# Altium PCB VCB2020_rev1.PcbDoc (part 2 of 2)
Units mil, origin at the board's own origin, x right, y up, seen from the top; angles counter-clockwise.
Board outline 5748.03 x 3779.53 mil, 2 copper layers (Top Layer, Bottom Layer); 155 components, 105 nets, 540 pads, 801 vias.
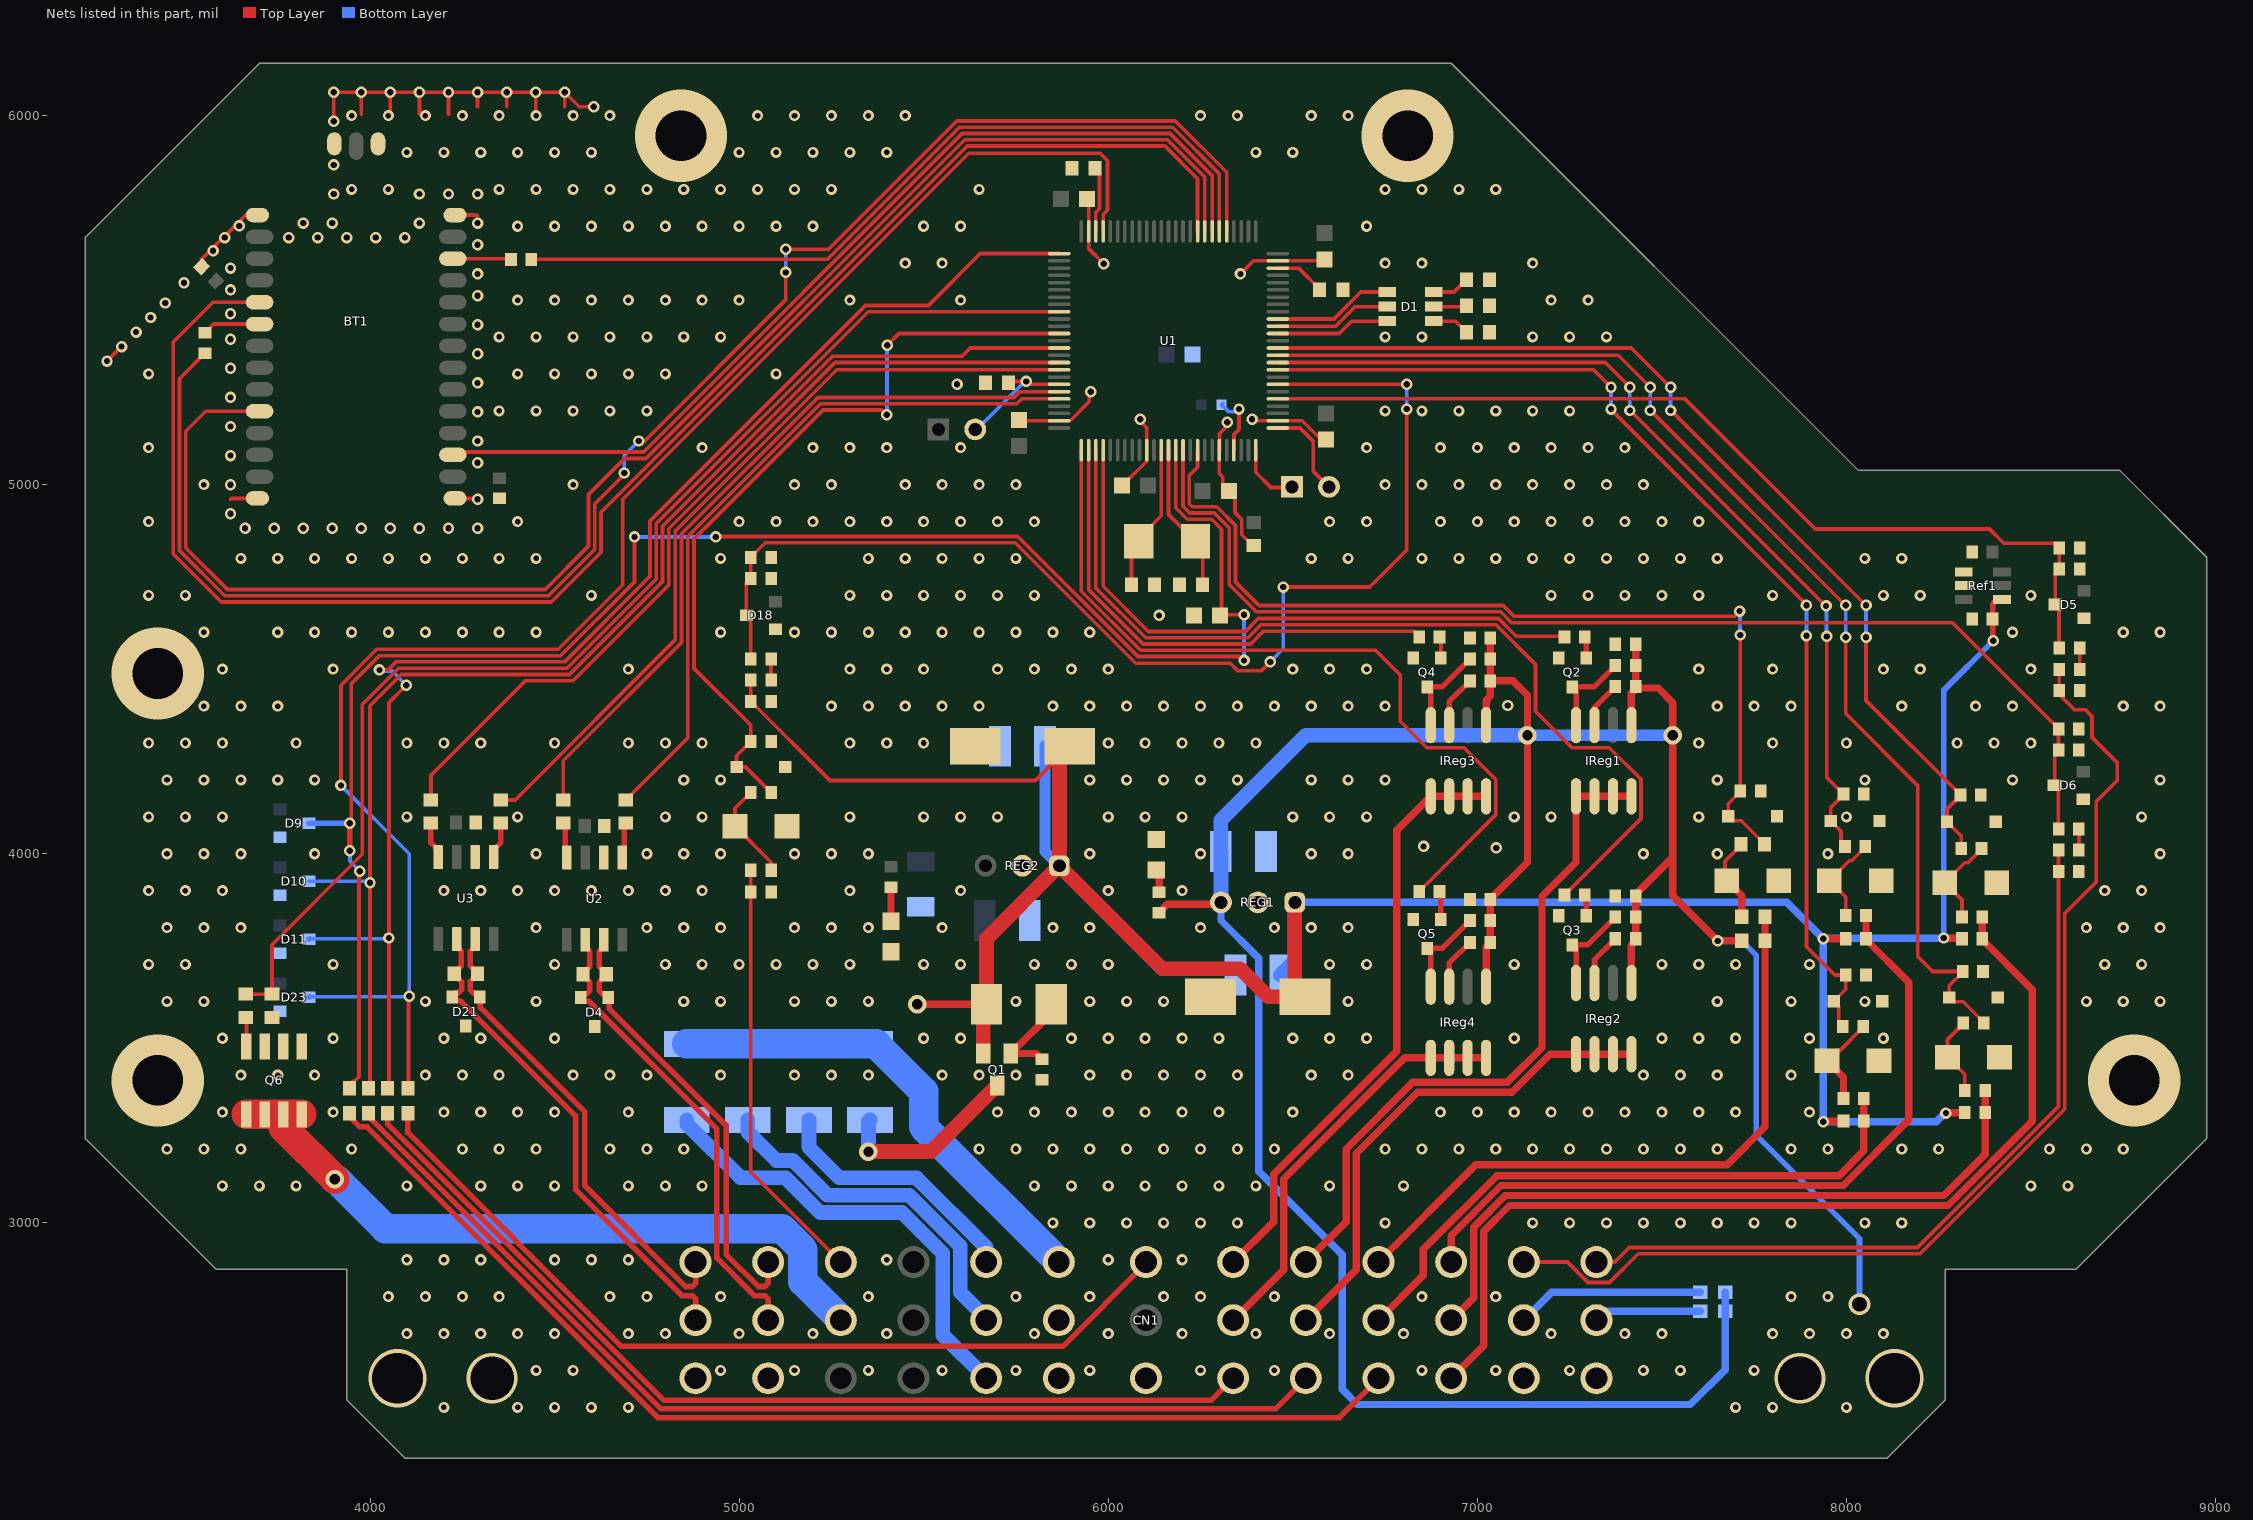
[diagram p2: the nets of this part, all layers, seen from the top]

## Via types
v1: diameter 30, hole 15, Top Layer to Bottom Layer, 653 vias
v2: diameter 31, hole 17, Top Layer to Bottom Layer, 127 vias
v3: diameter 50, hole 28, Top Layer to Bottom Layer, 10 vias
v4: diameter 250, hole 137, Top Layer to Bottom Layer, 5 vias
v5: diameter 59.06, hole 39.37, Top Layer to Bottom Layer, 2 vias
v6: diameter 137.8, hole 118.11, Top Layer to Bottom Layer, 2 vias
v7: diameter 157.48, hole 137.8, Top Layer to Bottom Layer, 2 vias

## Nets (pads, with @x,y where several pads share a name; then routed paths per layer and width w, separated by ;. In a path a pad name is that pad's centre, name@x,y a point inside that pad or via, vN(x,y) a via of type N, cw(c..) or ccw(c..) an arc to the next point about the centre after c; other vN are vias at no path point) (continued)
5v: C14.2 C34.2 C35.2 C36.2 C37.2 F1.1 F2.1 IReg1.1 IReg2.1 IReg3.1 IReg4.1 R6.1 R20.2 R47.1 R48.1 R50.1 R51.1 R53.1 R54.1 R56.1 R57.1 REG1.3 | length 8315.4
  Top Layer w20: R6.1@6137.96,3840.55 6160.33,3862.92 6305.51,3862.92 REG1.3@6305.51,3868.11 ; IReg4.1@7023.82,3639.76 7023.82,3748.23 R56.1@7035.43,3759.84 R57.1@7035.43,3818.9 C37.2@7035.43,3876.15 7135.83,3976.55 v3(7135.83,4320.87) 7135.83,4429.13 7096.46,4468.5 R53.1@7035.43,4468.5 ; IReg3.1@7023.82,4348.43 7023.82,4415.55 7035.43,4427.17 R53.1@7035.43,4468.5 ; C36.2@7035.43,4584.81 R54.1@7035.43,4527.56 R53.1@7035.43,4468.5 ; IReg2.1@7417.52,3659.45 7417.52,3752.33 7429.13,3763.95 7429.13,3821.2 R51.1@7429.13,3828.74 7429.13,3889.76 7529.53,3990.16 ; IReg1.1@7417.52,4348.43 7417.52,4435.24 7431.1,4448.82 7490.16,4448.82 7529.53,4409.45 v3(7529.53,4320.87) 7529.53,3990.16 ; R47.1@7429.13,4468.5 C34.2@7429.13,4567.43 ; R20.2@7716.54,3763.78 v2(7651.57,3763.78) 7529.53,3885.83 7529.53,3990.16
  Bottom Layer w15: v2(7651.57,3763.78) 7716.54,3763.78 7755.91,3724.41 7755.91,3236.52 8035.43,2956.99 v5(8035.43,2779.53)
  Bottom Layer w20: REG1.3@6305.51,3868.11 6305.51,3818.92 6407.48,3716.95 6407.48,3139.76 6633.86,2913.39 6633.86,2549.21 6675.2,2507.87 7576.77,2507.87 7671.26,2602.36 F1.1@7671.26,2760.37 F2.1@7671.26,2811.81
  Bottom Layer w30: v3(7135.83,4320.87) v3(7529.53,4320.87)
  Bottom Layer w40: REG1.3@6305.51,3868.11 6305.51,4005.51 C14.2@6305.12,4005.91 6305.12,4090.55 6535.43,4320.87 v3(7135.83,4320.87)
"\B\r\a\k\e\ \P\r\e\s\s": CN1.10 R20.1 R21.1 | length 1767.8
  Top Layer w20: CN1.10@6732.28,2893.7 6996.06,3157.48 7677.16,3157.48 7779.53,3259.84 R20.1@7779.53,3763.78 R21.1@7779.53,3828.74
"APPS 1 5V": CN1.1 R16.1 R18.2 | length 2120.8
  Top Layer w10: CN1.1@7322.83,2893.7 7372.05,2893.7 7411.42,2933.07 8192.53,2933.07 8574.8,3315.34 R18.2@8574.8,3952.25 R16.1@8574.8,4009.51
"APPS 1 Pwr": CN1.2 F1.2 | length 291.5
  Bottom Layer w20: CN1.2@7322.83,2736.22 7346.98,2760.37 F1.2@7604.33,2760.37
"APPS 2 5V": CN1.4 R12.1 R14.2 | length 3026.1
  Top Layer w10: CN1.4@7125.98,2883.86 CN1.4@7125.98,2893.7 7244.62,2893.7 7299.93,2838.39 7358.08,2838.39 7435.76,2916.07 8199.57,2916.07 8591.8,3308.3 8591.8,3837.87 8677.17,3923.23 8677.17,4141.73 8734.19,4198.76 8734.19,4246.06 8665.35,4314.9 8665.35,4372.05 8647.64,4389.76 8618.11,4389.76 8576.77,4431.1 R14.2@8576.77,4442.41 R12.1@8576.77,4499.66
"APPS 2 Pwr": CN1.5 F2.2 | length 509.7
  Bottom Layer w20: CN1.5@7125.98,2736.22 7201.57,2811.81 F2.2@7604.33,2811.81
"BCO Ctrl": CN1.32 Q6.5 Q6.6 Q6.7 Q6.8 | length 1964.7
  Top Layer w80: Q6.5@3665.16,3293.7 Q6.6@3715.16,3293.7 Q6.7@3765.16,3293.7 ; Q6.7@3765.16,3294.09 Q6.7@3765.16,3293.7 ; Q6.8@3815.16,3293.7 Q6.7@3765.16,3293.7 ; v3(3904.53,3118.11) 3765.16,3257.48 Q6.7@3765.16,3293.7
  Bottom Layer w80: v3(3904.53,3118.11) 3907.48,3118.11 4041.58,2984.01 5116.15,2984.01 5172.72,2927.44 5172.72,2840.89 5275.59,2738.01 CN1.32@5275.59,2736.22
BOOT0: P1.2 R4.1 U1.94 | length 349.6
  Top Layer w10: P1.2@5639.76,5149.61 P1.2@5653.57,5163.42 ; R4.1@5730.31,5275.59 5734.25,5279.53 v2(5777.56,5279.53) ; v2@5777.56,5271.65 U1.94@5867.13,5271.65
  Bottom Layer w10: P1.2@5639.76,5149.61 5643.7,5149.61 5773.62,5279.53 v2(5777.56,5279.53)
"BPS Interm": D7.2 R21.2 R60.1 | length 233.3
  Top Layer w10: D7.2@7675.59,3927.17 7671.26,3931.5 7671.26,3979.81 7714.57,4023.12 R60.1@7714.57,4025.09
  Top Layer w20: D7.2@7675.59,3927.17 7675.98,3927.17 7716.54,3886.61 R21.2@7716.54,3828.74
"BT NCTS": BT1.10 U1.58 | length 4121.6
  Top Layer w10: BT1.10@3700.79,5198.82 3555.12,5198.82 3500.88,5144.58 3500.88,4828.62 3613.57,4715.93 4474.42,4715.93 4591.98,4833.49 4591.98,4973.39 4689.46,5070.87 4747.61,5070.87 5611.07,5934.32 6160.58,5934.32 6261.81,5833.1 U1.58@6261.81,5686.02
"BT NRTS": BT1.5 U1.59 | length 4436.2
  Top Layer w10: BT1.5@3700.79,5494.09 3574.8,5494.09 3466.88,5386.17 3466.88,4812.26 3597.21,4681.93 4490.84,4681.93 4625.98,4817.07 4625.98,4925.2 5618.11,5917.32 6153.54,5917.32 6242.13,5828.74 U1.59@6242.13,5686.02
"BT Reset": BT1.17 U1.57 | length 2619.1
  Top Layer w10: BT1.17@4226.38,5078.74 BT1.17@4224.41,5080.71 4232.28,5088.58 4741.29,5088.58 5604.03,5951.32 6167.63,5951.32 6281.5,5837.45 U1.57@6281.5,5686.02
"BT Rx": BT1.6 R33.2 | length 157.4
  Top Layer w10: R33.2@3553.15,5411.42 3576.77,5435.04 BT1.6@3700.79,5435.04
"BT Tx": BT1.26 R32.1 | length 158.3
  Top Layer w10: BT1.26@4224.41,5612.2 4379.92,5612.2 R32.1@4381.89,5610.24
"CAN Rx": R9.2 U1.95 | length 2036.5
  Top Layer w10: R9.2@4523.62,4145.67 4523.62,4251.97 4843.95,4572.3 4843.95,4866.75 5213.42,5236.22 5745.32,5236.22 5761.06,5251.97 U1.95@5867.13,5251.97
"CAN Tx": R10.2 U1.96 | length 1945.2
  Top Layer w10: R10.2@4693.25,4145.67 4695.22,4145.67 4707.93,4158.39 4707.93,4160.35 4860.95,4313.37 4860.95,4859.71 5220.46,5219.22 5752.36,5219.22 5765.42,5232.28 U1.96@5867.13,5232.28
CAN_N: CN1.35 D4.2 R11.1 U2.6 | length 1306.6
  Top Layer w15: U2.6@4580.19,3763.65 U2.6@4583.44,3766.9 4583.44,3747.21 4595.94,3734.71 4595.94,3694.19 4576.94,3675.2 R11.1@4576.94,3673.23 4576.94,3671.26 4595.94,3652.26 4595.94,3629.07 4587.15,3620.29 4579.28,3620.29 4571.03,3612.04 D4.2@4571.03,3610.07 4571.03,3608.1 4579.28,3599.85 4593.88,3599.85 4939.7,3254.04 4939.7,2904.32 5041.56,2802.46 5069.95,2802.46 5078.74,2793.67 CN1.35@5078.74,2736.22
CAN_P: CN1.34 D4.1 R11.2 U2.7 | length 1236
  Top Layer w15: U2.7@4636.68,3763.65 U2.7@4633.44,3766.9 4633.44,3747.21 4620.94,3734.71 4620.94,3694.19 4639.93,3675.2 R11.2@4639.93,3673.23 4639.93,3671.26 4620.94,3652.26 4620.94,3629.07 4629.72,3620.29 4637.59,3620.29 4645.84,3612.04 D4.1@4645.84,3610.07 4647.87,3608.03 4647.87,3581.22 4964.7,3264.39 4964.7,2914.68 5051.92,2827.46 5069.95,2827.46 5078.74,2836.25 CN1.34@5078.74,2893.7
"Dash Power": CN1.27 F11.2 | length 1237.3
  Bottom Layer w40: F11.2@4858.27,3278.94 4858.27,3267.72 5003.94,3122.05 5125.76,3122.05 5220,3027.8 5441.62,3027.8 5551.98,2917.44 5551.98,2696.05 CN1.27@5669.29,2578.74
"Dash Toggle": CN1.9 R31.1 R34.1 | length 2654.6
  Top Layer w20: CN1.9@6929.13,2578.74 7017.16,2666.76 7017.16,2977.01 7087.1,3046.95 8275.3,3046.95 8503.94,3275.59 8503.94,3631.89 8368.11,3767.72 R31.1@8368.11,3769.68 R34.1@8368.11,3828.74
"Dash Toggle Interm": D19.2 R34.2 R35.1 | length 251.2
  Top Layer w10: D19.2@8266.14,3921.26 D19.2@8266.54,3921.26 ; R34.2@8312.99,3828.74 8312.99,3874.8 D19.2@8266.54,3921.26 ; R35.1@8366.14,4013.78 8366.14,4011.81 8329.53,3975.2 8320.47,3975.2 D19.2@8266.54,3921.26
"Debug LED B": D1.6 U1.39 | length 310.1
  Top Layer w10: U1.39@6459.65,5409.45 6625.98,5409.45 6659.45,5442.91 D1.6@6755.91,5442.91
"Debug LED G": D1.5 U1.40 | length 318.3
  Top Layer w10: U1.40@6459.65,5429.13 6615.82,5429.13 6668.97,5482.28 D1.5@6755.91,5482.28
"Debug LED R": D1.4 U1.41 | length 326.4
  Top Layer w10: U1.41@6459.65,5448.82 6611.46,5448.82 6684.29,5521.65 D1.4@6755.91,5521.65
"GLV Power In": CN1.22 F8.1 F9.1 F10.1 F11.1 | length 1309.2
  Bottom Layer w80: F11.1@4858.27,3484.84 F10.1@5023.62,3484.84 F9.1@5188.98,3484.84 F8.1@5354.33,3484.84 5371.38,3484.84 5500,3356.22 5500,3259.84 CN1.22@5866.14,2893.7
GND: BT1.1 BT1.14 BT1.15 BT1.28 BT1.29 BT1.31 C1.1 C2.1 C3.1 C4.1 C5.1 C6.1 C7.1 C8.1 C9.1 C10.1 C11.1 C12.2 C13.1 C14.1 C15.1 C16.2 C17.1 C18.1 C19.1 C20.1 C21.1 C22.1 C23.1 C24.1 C25.1 C26.1 C27.1 C28.1 C29.1 C30.1 C31.1 C32.1 C33.1 C34.1 C35.1 C36.1 C37.1 C38.1 CN1.3 CN1.6 CN1.21 CN1.23 CN1.24 CN1.36 CN1.39 D3.1 D4.3 D5.1 D6.1 D7.1 D8.1 D9.1 D10.1 D11.1 D12.1 D13.1 D14.1 D15.1 D16.1 D17.1 D18.1 D19.1 D20.1 D21.3 D22.1 D23.1 DS1.2 DS2.2 Q2.2 Q3.2 Q4.2 Q5.2 Q6.1 Q6.2 Q6.3 R1.2 R2.2 R3.2 R4.2 R5.1 R8.1 R14.1 R15.1 R18.1 R19.1 R42.1 R45.1 R46.1 R59.1 Ref1.1 Ref1.2 REG1.2 REG2.2 U1.10 U1.20 U1.27 U1.49 U1.74 U1.99 U2.2 U3.2 | length 3202.2
  Top Layer w10: v2(3287.4,5334.65) v2(3326.77,5374.02) ; C28.1@3543.51,5590.35 3543.51,5610.43 3633.86,5700.79 v2(3645.67,5700.79) 3645.67,5712.6 3663.39,5730.31 BT1.1@3694.88,5730.31 ; 3622.05,4960.63 3624.02,4962.6 BT1.14@3694.88,4962.6 ; v2(3901.57,5984.25) v2(3901.57,6062.99) v2(3976.38,6062.99) ; 3976.38,6003.94 v2(3976.38,6062.99) ; v1@4055.12,6003.94 v2(4055.12,6062.99) ; 4133.86,6003.94 v2(4133.86,6062.99) ; 4212.6,6003.94 v2(4212.6,6062.99) ; BT1.15@4230.31,4962.6 4289.37,4962.6 v2(4291.34,4960.63) ; BT1.28@4230.31,5730.31 4289.37,5730.31 4291.34,5728.35 ; 4291.34,6023.62 v2(4291.34,6062.99) ; 4370.08,6023.62 v2(4370.08,6062.99) ; v1@4448.82,6003.94 v2(4448.82,6062.99) ; 4527.56,6023.62 v2(4527.56,6062.99) ; v2(4606.3,6023.62) 4566.93,6023.62 v2(4527.56,6062.99) ; C9.1@5757.87,5175.2 5759.84,5173.23 U1.99@5867.13,5173.23 5867.2,5173.31 5897.04,5173.31 5948.74,5225 5948.74,5247.95 v2(5952.76,5251.97) ; C25.1@5942.91,5773.79 5946.85,5769.85 U1.74@5946.85,5686.02 5946.85,5639.76 v2(5988.19,5598.43) ; C6.1@6037.4,4998.03 6038.69,4998.03 6104.25,5063.59 6104.25,5093.43 U1.10@6104.33,5093.5 6104.33,5153.77 6086.61,5171.48 v2(6086.61,5177.17) ; v2(6322.83,5169.29) 6322.83,5159.67 6301.26,5138.1 6301.26,5093.58 U1.20@6301.18,5093.5 6301.18,5029.53 6310.12,5020.59 6310.12,4998.94 C7.1@6326.77,4982.28 6343.43,4965.63 6343.43,4924.29 6362.02,4905.7 6362.02,4864.36 6391.73,4834.65 C3.1@6393.7,4834.65 ; v2(6358.27,5570.87) 6393.7,5606.3 U1.49@6459.65,5606.3 6582.51,5606.3 C23.1@6586.61,5610.4 ; v2(6389.76,5177.17) 6393.62,5173.31 6459.57,5173.31 U1.27@6459.65,5173.23 6525.59,5173.23 C8.1@6590.55,5108.27 ; v2(3976.38,6062.99) v2(4055.12,6062.99) ; v2(4055.12,6062.99) v2(4133.86,6062.99) ; v2(4133.86,6062.99) v2(4212.6,6062.99) ; v2(4212.6,6062.99) v2(4291.34,6062.99) ; v2(4291.34,6062.99) v2(4370.08,6062.99) ; v2(4370.08,6062.99) v2(4448.82,6062.99) ; v2(4448.82,6062.99) v2(4527.56,6062.99)
  other v1: 4200,2500 4400,2500 4500,2500 4600,2500 4700,2500 7700,2500 7800,2500 8000,2500 4450,2600 4550,2600 4950,2600 5150,2600 5350,2600 5550,2600 5750,2600 5950,2600 6250,2600 6450,2600 6850,2600 7050,2600 7250,2600 7450,2600 7550,2600 7750,2600 4100,2700 4200,2700 4300,2700 4400,2700 4500,2700 4700,2700 4800,2700 5000,2700 5200,2700 5400,2700 5800,2700 6000,2700 6200,2700 6400,2700 6600,2700 6800,2700 7200,2700 7400,2700 7500,2700 7800,2700 7900,2700 8000,2700 8100,2700 4050,2800 4150,2800 4250,2800 4350,2800 4650,2800 4750,2800 4950,2800 5350,2800 5750,2800 5950,2800 6150,2800 6250,2800 6450,2800 6850,2800 7050,2800 7850,2800 7950,2800 4100,2900 4200,2900 4300,2900 4500,2900 4600,2900 4700,2900 5400,2900 6000,2900 6200,2900 5850,3000 5950,3000 6050,3000 6150,3000 6250,3000 6350,3000 6750,3000 7150,3000 7250,3000 7350,3000 7450,3000 7550,3000 7650,3000 7750,3000 7850,3000 8050,3000 8150,3000 3600,3100 3700,3100 3800,3100 4100,3100 4300,3100 4400,3100 4500,3100 4700,3100 4800,3100 4900,3100 5800,3100 5900,3100 6000,3100 6100,3100 6200,3100 6300,3100 6400,3100 6600,3100 6800,3100 8500,3100 8600,3100 3450,3200 3550,3200 3650,3200 3950,3200 4250,3200 4350,3200 4450,3200 4650,3200 4750,3200 4850,3200 5650,3200 5750,3200 5850,3200 5950,3200 6050,3200 6150,3200 6250,3200 6350,3200 6450,3200 6750,3200 6850,3200 6950,3200 7050,3200 7150,3200 7250,3200 7350,3200 7450,3200 7550,3200 7650,3200 7850,3200 7950,3200 8150,3200 8250,3200 8550,3200 8650,3200 8750,3200 3600,3300 3900,3300 4200,3300 4300,3300 4400,3300 4500,3300 4700,3300 5700,3300 5800,3300 5900,3300 6000,3300 6100,3300 6200,3300 6300,3300 6500,3300 6900,3300 7000,3300 7100,3300 7200,3300 7300,3300 7400,3300 7500,3300 7600,3300 7700,3300 7900,3300 3650,3400 3750,3400 3850,3400 4150,3400 4250,3400 4350,3400 4550,3400 4650,3400 4750,3400 4950,3400 5150,3400 5250,3400 5350,3400 5550,3400 5650,3400 5750,3400 5950,3400 6050,3400 6150,3400 6250,3400 6350,3400 6550,3400 6650,3400 7450,3400 7550,3400 7650,3400 7850,3400 3600,3500 3900,3500 4200,3500 4300,3500 4500,3500 5500,3500 5600,3500 5900,3500 6000,3500 6100,3500 6200,3500 6300,3500 6500,3500 6600,3500 6700,3500 7100,3500 7500,3500 7600,3500 7700,3500 7900,3500 8100,3500 3450,3600 3550,3600 4150,3600 4450,3600 4850,3600 4950,3600 5150,3600 5250,3600 5350,3600 5750,3600 5950,3600 6050,3600 6150,3600 6650,3600 7650,3600 7850,3600 8050,3600 8650,3600 8750,3600 8850,3600 3400,3700 3500,3700 3900,3700 4500,3700 4800,3700 4900,3700 5000,3700 5100,3700 5200,3700 5300,3700 5500,3700 5600,3700 5800,3700 5900,3700 6000,3700 6600,3700 6700,3700 7100,3700 7500,3700 7600,3700 7700,3700 7900,3700 8700,3700 8800,3700 3450,3800 3550,3800 3650,3800 4450,3800 4750,3800 4850,3800 4950,3800 5150,3800 5250,3800 5350,3800 5550,3800 5850,3800 5950,3800 6250,3800 6450,3800 6550,3800 6650,3800 8650,3800 8750,3800 8850,3800 3400,3900 3500,3900 3600,3900 4200,3900 4300,3900 4400,3900 4500,3900 4600,3900 4700,3900 4800,3900 4900,3900 5300,3900 5600,3900 6000,3900 6200,3900 8700,3900 8800,3900 3450,4000 3550,4000 3650,4000 3850,4000 4450,4000 4750,4000 4850,4000 4950,4000 5150,4000 5250,4000 5350,4000 5950,4000 6250,4000 6550,4000 6650,4000 7450,4000 7650,4000 7950,4000 8850,4000 3400,4100 3500,4100 3600,4100 4100,4100 4400,4100 4800,4100 4900,4100 5300,4100 5500,4100 5600,4100 5700,4100 6000,4100 6100,4100 6200,4100 6500,4100 6600,4100 6700,4100 7100,4100 7200,4100 7600,4100 8000,4100 8800,4100 3450,4200 3550,4200 3650,4200 3750,4200 3850,4200 4850,4200 4950,4200 5950,4200 6050,4200 6150,4200 6250,4200 6350,4200 6550,4200 6650,4200 6750,4200 7650,4200 8050,4200 8450,4200 8850,4200 3400,4300 3500,4300 3600,4300 3800,4300 4100,4300 4200,4300 4300,4300 4500,4300 4700,4300 4800,4300 4900,4300 5300,4300 5400,4300 5500,4300 6000,4300 6100,4300 6200,4300 6300,4300 6400,4300 7600,4300 7800,4300 8000,4300 8300,4300 8400,4300 8500,4300 3550,4400 3650,4400 3750,4400 5250,4400 5350,4400 5450,4400 5550,4400 5650,4400 5850,4400 5950,4400 6050,4400 6150,4400 6250,4400 6350,4400 6450,4400 6550,4400 6650,4400 6750,4400 7650,4400 7750,4400 7850,4400 8150,4400 8350,4400 8450,4400 8750,4400 8850,4400 3600,4500 3900,4500 4700,4500 5300,4500 5400,4500 5500,4500 5700,4500 5800,4500 5900,4500 6000,4500 6500,4500 6600,4500 6700,4500 7600,4500 7800,4500 8100,4500 8200,4500 8500,4500 3550,4600 3750,4600 3850,4600 3950,4600 4050,4600 4150,4600 4250,4600 4350,4600 4450,4600 4950,4600 5150,4600 5250,4600 5350,4600 5450,4600 5550,4600 5650,4600 5750,4600 5850,4600 5950,4600 8450,4600 8750,4600 8850,4600 3400,4700 3500,4700 4600,4700 5300,4700 5400,4700 5500,4700 5600,4700 5700,4700 5800,4700 7200,4700 7300,4700 7400,4700 7500,4700 7600,4700 7800,4700 8100,4700 8200,4700 8500,4700 3650,4800 3750,4800 3850,4800 3950,4800 4050,4800 4150,4800 4250,4800 4350,4800 4450,4800 4950,4800 5350,4800 5450,4800 5550,4800 5650,4800 5750,4800 6550,4800 6650,4800 6850,4800 6950,4800 7050,4800 7150,4800 7250,4800 7350,4800 7450,4800 7550,4800 7650,4800 8050,4800 8150,4800 3400,4900 4400,4900 5000,4900 5100,4900 5200,4900 5300,4900 5400,4900 5500,4900 5600,4900 5700,4900 5800,4900 6600,4900 6700,4900 6900,4900 7000,4900 7100,4900 7200,4900 7300,4900 7400,4900 7500,4900 7600,4900 3550,5000 4550,5000 5150,5000 5250,5000 5450,5000 5550,5000 5650,5000 5750,5000 6750,5000 6850,5000 6950,5000 7050,5000 7150,5000 7250,5000 7350,5000 7450,5000 3400,5100 4900,5100 5200,5100 5300,5100 5400,5100 5600,5100 6700,5100 6900,5100 7000,5100 7100,5100 7200,5100 7300,5100 7400,5100 4350,5200 4450,5200 4550,5200 4650,5200 4750,5200 6750,5200 6850,5200 6950,5200 7050,5200 7150,5200 7250,5200 3400,5300 4400,5300 4500,5300 4600,5300 4700,5300 4800,5300 5100,5300 4350,5400 4450,5400 4550,5400 4650,5400 4750,5400 4850,5400 4950,5400 6750,5400 6850,5400 7150,5400 7250,5400 7350,5400 4400,5500 4500,5500 4600,5500 4700,5500 4800,5500 4900,5500 5000,5500 5300,5500 5600,5500 7200,5500 7300,5500 5450,5600 5550,5600 6750,5600 6850,5600 7150,5600 4400,5700 4500,5700 4600,5700 4700,5700 4800,5700 4900,5700 5000,5700 5100,5700 5200,5700 5500,5700 5600,5700 6700,5700 3950,5800 4050,5800 4350,5800 4450,5800 4550,5800 4650,5800 4750,5800 4850,5800 4950,5800 5050,5800 5150,5800 5250,5800 5650,5800 6750,5800 6850,5800 6950,5800 7050,5800 4100,5900 4200,5900 4300,5900 4400,5900 4500,5900 4600,5900 5000,5900 5100,5900 5200,5900 5300,5900 5400,5900 6400,5900 6500,5900 3950,6000 4050,6000 4150,6000 4250,6000 4350,6000 4450,6000 4550,6000 4650,6000 5050,6000 5150,6000 5250,6000 5350,6000 5450,6000 6250,6000 6350,6000 6550,6000 6650,6000
  other v2: 7051.18,4015.75 6854.33,4019.68 7082.68,4401.57 6137.8,4645.67 3661.42,4881.89 3740.16,4881.89 3818.9,4881.89 3897.64,4881.89 3976.38,4881.89 4055.12,4881.89 4133.86,4881.89 4212.6,4881.89 4291.34,4881.89 3622.05,4921.26 3622.05,5000 4291.34,5059.06 3622.05,5078.74 4291.34,5118.11 3622.05,5157.48 4291.34,5196.85 3622.05,5236.22 5590.55,5271.65 4291.34,5275.59 3622.05,5314.96 4291.34,5354.33 3622.05,5393.7 3366.14,5413.39 4291.34,5433.07 3405.51,5452.76 3622.05,5462.6 3444.88,5492.13 4291.34,5511.81 3622.05,5527.56 3496.06,5547.24 4291.34,5570.87 3622.05,5586.61 3574.8,5633.86 4291.34,5649.61 3606.3,5669.29 3779.53,5669.29 3858.27,5669.29 3937.01,5669.29 4015.75,5669.29 4094.49,5669.29 3818.9,5708.66 3897.64,5708.66 4133.86,5708.66 4291.34,5708.66 3901.57,5787.4 4133.86,5787.4 4212.6,5787.4 4291.34,5787.4 3901.57,5866.14
  other v4: 3425.2,3385.83 8779.53,3385.83 3425.2,4488.19 4842.52,5944.88 6811.02,5944.88
  other v6: 4330.71,2578.74 7874.02,2578.74
  other v7: 4074.8,2578.74 8129.92,2578.74
NetD1_1: D1.1 R3.1 | length 100.8
  Top Layer w10: D1.1@6881.89,5442.91 6940.94,5442.91 R3.1@6970.47,5413.39
NetD1_2: D1.2 R2.1 | length 89.5
  Top Layer w10: D1.2@6881.89,5482.28 6968.34,5482.28 R2.1@6970.47,5484.42
NetD1_3: D1.3 R1.1 | length 102.6
  Top Layer w10: D1.3@6881.89,5521.65 6936.67,5521.65 R1.1@6970.47,5555.45
NetD2_A: D2.A Q1.1 R5.2 | length 270.4
  Top Layer w20: R5.2@5821.03,3442.91 5805.29,3458.66 Q1.1@5736.22,3458.66 5845.47,3567.91 D2.A@5845.47,3592.52
NetDS1_1: DS1.1 R6.2 | length 63.5
  Top Layer w20: DS1.1@6129.92,3955.88 6137.96,3947.83 R6.2@6137.96,3895.67
NetDS2_1: DS2.1 R7.2 | length 91.9
  Top Layer w20: DS2.1@5411.42,3817.55 R7.2@5411.42,3909.45
NetIReg1_3: IReg1.3 R47.2 | length 127.9
  Top Layer w15: IReg1.3@7317.52,4348.43 7317.52,4396.43 R47.2@7374.02,4452.92
NetIReg1_4: IReg1.4 Q2.3 R48.2 | length 248
  Top Layer w15: IReg1.4@7267.52,4348.43 7267.52,4442.13 Q2.3@7257.71,4451.94 7315.78,4451.94 R48.2@7374.02,4510.18
NetIReg2_3: IReg2.3 R50.2 | length 143.5
  Top Layer w15: IReg2.3@7317.52,3649.61 7317.52,3713.19 R50.2@7374.02,3769.68
NetIReg2_4: IReg2.4 Q3.3 R51.2 | length 255.2
  Top Layer w15: IReg2.4@7267.52,3649.61 7267.52,3743.31 Q3.3@7257.71,3753.12 7298.4,3753.12 R51.2@7374.02,3828.74
NetIReg3_3: IReg3.3 R53.2 | length 143.5
  Top Layer w15: IReg3.3@6923.82,4348.43 6923.82,4412.01 R53.2@6980.31,4468.5
NetIReg3_4: IReg3.4 Q4.3 R54.2 | length 255.2
  Top Layer w15: IReg3.4@6873.82,4348.43 6873.82,4442.13 Q4.3@6864.01,4451.94 6904.69,4451.94 R54.2@6980.31,4527.56
NetIReg4_3: IReg4.3 R56.2 | length 143.5
  Top Layer w15: IReg4.3@6923.82,3639.76 6923.82,3703.35 R56.2@6980.31,3759.84
NetIReg4_4: IReg4.4 Q5.3 R57.2 | length 255.2
  Top Layer w15: IReg4.4@6873.82,3639.76 6873.82,3733.46 Q5.3@6864.01,3743.28 6904.69,3743.28 R57.2@6980.31,3818.9
NetL1_2: L1.2 U1.22 | length 180.4
  Top Layer w10: U1.22@6340.55,5093.5 6340.55,5135.83 6354.33,5149.61 v2(6354.33,5204.72)
  Bottom Layer w10: L1.2@6311.02,5220.47 L1.2@6307.09,5216.54 6325.87,5197.76 6347.36,5197.76 v2(6354.33,5204.72)
NetQ2_1: Q2.1 R49.1 | length 57.8
  Top Layer w15: R49.1@7291.34,4586.95 7295.11,4583.18 Q2.1@7295.11,4530.68
NetQ3_1: Q3.1 R52.1 | length 57.8
  Top Layer w15: R52.1@7291.34,3888.13 7295.11,3884.36 Q3.1@7295.11,3831.86
NetQ4_1: Q4.1 R55.1 | length 57.8
  Top Layer w10: R55.1@6897.64,4586.95 6901.41,4583.18 Q4.1@6901.41,4530.68
NetQ5_1: Q5.1 R58.1 | length 77.2
  Top Layer w15: R58.1@6897.64,3897.64 6901.41,3893.87 Q5.1@6901.41,3822.02
NetQ6_4: Q6.4 R39.1 | length 79.2
  Top Layer w10: R39.1@3663.39,3556.47 3665.16,3554.7 Q6.4@3665.16,3477.95
NetR9_1: R9.1 U2.4 | length 97.4
  Top Layer w15: R9.1@4523.62,4082.68 4528.53,4077.77 4528.53,3994.25 U2.4@4533.44,3989.34
NetR10_1: R10.1 U2.1 | length 97.4
  Top Layer w15: U2.1@4683.44,3989.34 4688.34,3994.25 4688.34,4077.77 R10.1@4693.25,4082.68
NetR12_2: R12.2 R13.1 | length 57.3
  Top Layer w10: R12.2@8631.89,4499.66 R13.1@8631.89,4556.92
NetR16_2: R16.2 R17.1 | length 57.3
  Top Layer w10: R16.2@8629.92,4009.51 R17.1@8629.92,4066.76
NetR28_1: R28.1 U3.4 | length 99.8
  Top Layer w15: R28.1@4165.02,4082.68 4165.02,4030.31 4184.68,4010.66 U3.4@4184.68,3990.97
NetR29_1: R29.1 U3.1 | length 99.8
  Top Layer w15: U3.1@4334.68,3990.97 4334.68,4010.66 4354.33,4030.31 R29.1@4354.33,4082.68
NetR43_2: R43.2 R44.1 | length 57.3
  Top Layer w10: R43.2@5086.61,4470.14 R44.1@5086.61,4527.39
NRST: C1.2 D9.3 F5.1 U1.14 | length 4753
  Top Layer w10: v2(3944.88,4082.68) 3948.76,4086.56 3948.76,4460.09 4025.35,4536.69 4517,4536.69 4716.54,4736.22 v2(4716.54,4858.27) ; F5.1@3954.84,3380.85 3970,3396.02 v2@3970,3950.32 ; v2(4936.96,4858.22) 4938.26,4859.52 5754.94,4859.52 6080.34,4534.12 6357.61,4534.12 v2(6368.11,4523.62) ; U1.14@6183.07,5093.5 6183.07,4937.01 6214.05,4906.03 6280.23,4906.03 6307.09,4879.18 6307.09,4649.44 C1.2@6305.29,4647.64 ; C1.2@6303.15,4645.5 C1.2@6305.29,4647.64 ; v2(6368.11,4647.64) C1.2@6305.29,4647.64
  Top Layer w15: F5.1@3944.62,3364.17 3954.84,3374.39 F5.1@3954.84,3380.85 ; v2(3944.88,4007.87) v2(3944.88,4082.68) ; v2@3970,3950.32 v2(3972.44,3952.76)
  Bottom Layer w10: v2@3945.57,4007.19 3945.57,3979.63 v2(3972.44,3952.76) ; v2@4716.56,4858.25 v2@4936.94,4858.25 ; v2(6368.11,4523.62) v2(6368.11,4647.64)
  Bottom Layer w15: D9.3@3834.65,4082.25 3834.86,4082.47 3944.67,4082.47 v2(3944.88,4082.68) ; v2(3944.88,4007.87) v2@3945.57,4007.19
"NRST F": CN1.12 F5.2 | length 3179
  Top Layer w15: F5.2@3944.62,3297.24 3944.62,3287.66 3972.44,3259.84 3992.13,3259.84 4779.53,2472.44 6625.98,2472.44 CN1.12@6732.28,2578.74
"Ph0 OSC In": C4.2 U1.12 X1.2 | length 398.7
  Top Layer w10: C4.2@6062.82,4728.35 6062.82,4826.6 X1.2@6082.68,4846.46 6082.68,4854.33 6143.7,4915.35 U1.12@6143.7,5093.5
"Ph1 OSC Out": C10.2 U1.13 X1.1 | length 403.5
  Top Layer w10: U1.13@6163.39,5093.5 6163.39,4919.29 X1.1@6236.22,4846.46 6255.91,4826.77 C10.2@6255.91,4728.35
"Regen Btn": CN1.11 R36.1 R37.1 | length 1688.2
  Top Layer w20: CN1.11@6732.28,2736.22 6853.81,2857.75 6853.81,2928.62 7053.15,3127.95 7980.31,3127.95 8047.24,3194.88 R36.1@8047.24,3275.59 R37.1@8047.24,3336.61
"Regen Btn Interm": D22.2 R37.2 R38.1 | length 258.7
  Top Layer w10: D22.2@7947.24,3438.98 7975.31,3467.05 7982.8,3467.05 8045.28,3529.53 R38.1@8045.28,3531.5
  Top Layer w20: D22.2@7947.24,3438.98 7947.64,3438.98 7992.13,3394.49 R37.2@7992.13,3336.61
"RTD BTN": CN1.8 R22.1 R23.1 | length 1917.4
  Top Layer w20: CN1.8@6929.13,2736.22 6990.16,2797.24 6990.16,2988.19 7075.92,3073.95 8264.12,3073.95 8375.98,3185.82 R22.1@8375.98,3299.21 R23.1@8375.98,3358.27
"RTD LED 1": R52.2 U1.3 | length 2567.4
  Top Layer w10: U1.3@5966.54,5093.5 5966.54,4720.05 6101.47,4585.12 6378.85,4585.12 6413.81,4620.08 7050.6,4620.08 7157.83,4512.85 7157.83,4386.23 7256.84,4287.21 7357.71,4287.21 7443.3,4201.62 7443.3,4095.21 R52.2@7236.22,3888.13
"RTD LED 1 Output": CN1.14 IReg2.5 IReg2.6 IReg2.7 IReg2.8 | length 1365
  Top Layer w20: CN1.14@6535.43,2736.22 6671.98,2872.76 6671.98,3187.72 6837.89,3353.64 7093.8,3353.64 7196.85,3456.69 IReg2.5@7267.52,3456.69 IReg2.6@7317.52,3456.69 IReg2.7@7367.52,3456.69 IReg2.8@7417.52,3456.69
"RTD LED 2": R58.2 U1.1 | length 2178.9
  Top Layer w10: U1.1@5927.17,5093.5 5927.17,4711.34 6087.38,4551.12 6724.47,4551.12 6791.32,4484.27 6791.32,4359.03 6863.14,4287.21 6964.01,4287.21 7049.6,4201.62 7049.6,4104.72 R58.2@6842.52,3897.64
"RTD LED 2 Output": CN1.17 IReg4.5 IReg4.6 IReg4.7 IReg4.8 | length 1123.7
  Top Layer w20: CN1.17@6338.58,2736.22 6475.13,2872.76 6475.13,3118.83 6803.15,3446.85 IReg4.5@6873.82,3446.85 IReg4.6@6923.82,3446.85 IReg4.7@6973.82,3446.85 IReg4.8@7023.82,3446.85
RTD_BTN_Interm: D12.2 R23.2 R24.1 | length 220.7
  Top Layer w10: R24.1@8316.93,3541.34 8316.93,3539.37 8290.31,3512.76 8289.88,3512.76 8274.02,3496.89 D12.2@8274.02,3448.82 8274.41,3448.82 8320.87,3402.36 R23.2@8320.87,3358.27
"Sensor CAN Rx": R28.2 U1.91 | length 2321.1
  Top Layer w10: R28.2@4165.02,4145.67 4165.02,4212.26 4421.26,4468.5 4549.72,4468.5 4809.56,4728.35 4809.56,4880.44 5259.83,5330.71 U1.91@5867.13,5330.71
"Sensor CAN Tx": R29.2 U1.92 | length 2168
  Top Layer w10: R29.2@4354.33,4145.67 4393.28,4145.67 4826.56,4578.95 4826.56,4873.4 5264.18,5311.02 U1.92@5867.13,5311.02
Sensor_CAN_N: CN1.38 D21.2 R30.1 U3.6 | length 1367.3
  Top Layer w15: U3.6@4234.68,3768.53 4234.68,3748.85 4247.18,3736.35 4247.18,3695.83 4228.18,3676.83 R30.1@4228.18,3674.86 4228.18,3672.89 4248.03,3653.04 4248.03,3631.56 4238.39,3621.92 4230.52,3621.92 4222.27,3613.67 4222.27,3609.73 4230.52,3601.49 4245.12,3601.49 4557.05,3289.56 4557.05,3090.12 4844.71,2802.46 4873.1,2802.46 4881.89,2793.67 CN1.38@4881.89,2736.22
Sensor_CAN_P: CN1.37 D21.1 R30.2 U3.7 | length 1296
  Top Layer w15: U3.7@4284.68,3768.53 4284.68,3748.85 4272.18,3736.35 4272.18,3695.83 4291.17,3676.83 R30.2@4291.17,3674.86 4291.17,3672.89 4272.18,3653.9 4272.18,3630.71 4280.96,3621.92 4288.83,3621.92 4297.08,3613.67 D21.1@4297.08,3611.7 4299.11,3609.66 4299.11,3582.85 4582.05,3299.92 4582.05,3100.48 4855.06,2827.46 4873.1,2827.46 4881.89,2836.25 CN1.37@4881.89,2893.7
"Serial Rx": P2.2 U1.26 | length 251.9
  Top Layer w10: U1.26@6459.65,5153.54 6519.69,5153.54 6555.12,5118.11 6555.12,5037.01 P2.2@6598.03,4994.09
"Serial Tx": P2.1 U1.25 | length 176.4
  Top Layer w10: U1.25@6399.61,5093.5 6399.61,5033.46 6440.94,4992.13 6496.06,4992.13 P2.1@6498.03,4994.09
"Shutdown Tap Interm": D17.2 R40.1 R41.2 | length 269
  Top Layer w10: R41.2@5031.5,4165.84 4988.58,4122.92 D17.2@4988.58,4074.8 5086.61,3976.77 R40.1@5086.61,3955.23
Shutdown_Tap: CN1.31 R40.2 R42.2 | length 1162.6
  Top Layer w10: R40.2@5031.5,3955.23 R42.2@5031.5,3896.17 5031.5,3137.8 CN1.31@5275.59,2893.7
SWDIO: D23.3 F3.1 U1.72 | length 4457.6
  Top Layer w10: v2(3921.26,4185.04) 3921.26,4456.63 4018.31,4553.69 4509.96,4553.69 4685.04,4728.77 4685.04,4960.21 5622.47,5897.64 5977.94,5897.64 5998.03,5877.54 5998.03,5743.27 5986.3,5731.54 5986.3,5686.1 U1.72@5986.22,5686.02 ; F3.1@4104.33,3366.14 v2@4104.33,3612.2
  Top Layer w15: F3.1@4102.36,3364.17 F3.1@4104.33,3366.14 ; v2@4104.33,3612.2 v2(4106.3,3614.17)
  Bottom Layer w10: D23.3@3836.19,3612.63 v2@4104.75,3612.63 ; v2(3921.26,4185.04) 4106.3,4000 v2(4106.3,3614.17)
  Bottom Layer w15: D23.3@3834.65,3611.08 D23.3@3836.19,3612.63 ; v2@4104.75,3612.63 v2(4106.3,3614.17)
"SWDIO F": CN1.19 F3.2 | length 2389.2
  Top Layer w15: F3.2@4102.36,3297.24 4102.36,3244.09 4681.1,2665.35 5877.03,2665.35 6102.36,2890.69 CN1.19@6102.36,2893.7
"TSA BTN": CN1.7 R25.1 R26.1 | length 2043.9
  Top Layer w20: CN1.7@6929.13,2893.7 6929.13,2965.75 7064.33,3100.95 7991.5,3100.95 8169.29,3278.75 8169.29,3651.57 8053.15,3767.72 R25.1@8053.15,3769.68 R26.1@8053.15,3832.68
"TSA LED 1": R49.2 U1.4 | length 1706.1
  Top Layer w10: U1.4@5986.22,5093.5 5986.22,4724.41 6108.51,4602.12 6371.81,4602.12 6406.76,4637.08 7057.64,4637.08 7105.81,4588.92 7236.22,4588.92 R49.2@7236.22,4586.95
"TSA LED 1 Output": CN1.13 IReg1.5 IReg1.6 IReg1.7 IReg1.8 | length 1865
  Top Layer w20: CN1.13@6535.43,2893.7 6644.98,3003.24 6644.98,3200.09 6825.52,3380.64 7081.43,3380.64 7175.2,3474.41 7175.2,3884.61 7267.52,3976.94 IReg1.5@7267.52,4155.51 IReg1.6@7317.52,4155.51 IReg1.7@7367.52,4155.51 IReg1.8@7417.52,4155.51
"TSA LED 2": R55.2 U1.2 | length 1355.8
  Top Layer w10: U1.2@5946.85,5093.5 5946.85,4715.7 6094.42,4568.12 6385.89,4568.12 6420.85,4603.08 6826.39,4603.08 R55.2@6842.52,4586.95
"TSA LED 2 Output": CN1.16 IReg3.5 IReg3.6 IReg3.7 IReg3.8 | length 1633.5
  Top Layer w20: CN1.16@6338.58,2893.7 6448.13,3003.24 6448.13,3131.2 6781.5,3464.57 6781.5,4063.19 IReg3.5@6873.82,4155.51 IReg3.6@6923.82,4155.51 IReg3.7@6973.82,4155.51 IReg3.8@7023.82,4155.51
TSA_BTN_Interm: D14.2 R26.2 R27.1 | length 250.4
  Top Layer w10: D14.2@7953.15,3927.17 D14.2@7953.54,3927.17 ; R26.2@7998.03,3832.68 7998.03,3882.68 D14.2@7953.54,3927.17 ; R27.1@8051.18,4019.68 8051.18,4017.72 8014.57,3981.1 8007.48,3981.1 D14.2@7953.54,3927.17
"UC APPS 1": C21.2 D6.3 R17.2 R19.2 U1.15 | length 3146.2
  Top Layer w10: U1.15@6202.76,5093.5 6202.76,4941.36 6221.09,4923.03 6287.27,4923.03 6328.02,4882.29 6328.02,4729.19 6401.69,4655.51 7063.25,4655.51 7092.78,4625.98 8287.15,4625.98 8562.09,4351.04 8564.06,4351.04 8574.8,4340.3 C21.2@8574.8,4338.33 R19.2@8574.8,4281.07 8564.06,4270.32 8564.06,4186.1 D6.3@8562.99,4185.04 8573.74,4174.29 8573.74,4067.82 R17.2@8574.8,4066.76
"UC APPS 2": C20.2 D5.3 R13.2 R15.2 U1.30 | length 2566.9
  Top Layer w10: U1.30@6459.65,5232.28 7562.99,5232.28 7915.35,4879.92 8387.8,4879.92 8426.52,4841.2 8566.02,4841.2 8576.77,4830.45 C20.2@8576.77,4828.48 R15.2@8576.77,4771.23 8566.02,4760.48 8566.02,4676.26 D5.3@8564.96,4675.2 8575.71,4664.45 8575.71,4557.98 R13.2@8576.77,4556.92
"UC BPS": C26.2 D3.2 R60.2 U1.17 | length 2568.2
  Top Layer w10: U1.17@6242.13,5093.5 6242.13,5047.24 6219.76,5024.87 6219.76,4948.41 6228.13,4940.03 6294.32,4940.03 6345.02,4889.33 6345.02,4736.23 6408.73,4672.51 7070.29,4672.51 7099.82,4642.98 7696.13,4642.98 v2(7710.63,4657.48) ; v2(7712.6,4592.52) C26.2@7712.6,4170.11 7712.6,4168.14 7680.12,4135.66 D3.2@7680.12,4101.04 7691.85,4089.31 7715.31,4089.31 7777.56,4027.06 R60.2@7777.56,4025.09
  Bottom Layer w10: v2(7710.63,4657.48) 7711.61,4656.5 7711.61,4593.5 v2(7712.6,4592.52)
"UC BT Rx": R32.2 U1.56 | length 2220.7
  Top Layer w10: R32.2@4437.01,5610.24 5238.9,5610.24 5596.99,5968.32 6174.67,5968.32 6301.18,5841.81 U1.56@6301.18,5686.02
"UC BT Tx": R33.1 U1.55 | length 4384.8
  Top Layer w10: R33.1@3553.15,5356.3 3483.88,5287.03 3483.88,4821.58 3606.53,4698.93 4483.8,4698.93 4608.98,4824.12 4608.98,4947.57 4688.98,5027.56 v2(4688.98,5031.5) ; v2(4728.35,5118.11) 4744.09,5118.11 5125.98,5500 v2(5125.98,5574.8) ; v2(5125.98,5637.8) 5242.42,5637.8 5589.94,5985.32 6181.71,5985.32 6320.87,5846.17 U1.55@6320.87,5686.02
  Bottom Layer w10: v2(4688.98,5031.5) 4688.98,5078.74 v2(4728.35,5118.11) ; v2(5125.98,5574.8) v2(5125.98,5637.8)
"UC Dash Toggle": C31.2 D15.2 R35.2 U1.37 | length 2715.5
  Top Layer w10: U1.37@6459.65,5370.08 7417.32,5370.08 v2(7523.62,5263.78) ; v2(7523.62,5200.79) 7524.61,5200.79 8052.17,4673.23 v2(8053.15,4673.23) ; v2(8053.15,4586.61) 8053.15,4415.35 C31.2@8309.06,4159.45 8309.06,4157.48 8272.64,4121.06 D15.2@8272.64,4086.61 8311.02,4048.23 R35.2@8311.02,4013.78
  Bottom Layer w10: v2(7523.62,5200.79) v2(7523.62,5263.78) ; v2(8053.15,4586.61) v2(8053.15,4673.23)
"UC Regen Btn": C38.2 D20.2 R38.2 U1.34 | length 2958.7
  Top Layer w10: U1.34@6459.65,5311.02 7314.96,5311.02 v2(7362.2,5263.78) ; v2(7362.2,5204.72) 7362.2,5203.74 7891.73,4674.21 v2(7891.73,4673.23) ; v2(7891.73,4590.55) 7891.73,3748.03 7968.5,3671.26 C38.2@7998.03,3671.26 7998.03,3633.04 D20.2@7965.55,3600.56 7979.41,3586.7 7979.41,3542.24 R38.2@7990.16,3531.5
  Bottom Layer w10: v2(7362.2,5204.72) v2(7362.2,5263.78) ; v2(7891.73,4590.55) v2(7891.73,4673.23)
"UC Regen Ctrl": R39.2 R59.2 U1.84 | length 3373.9
  Top Layer w10: R39.2@3663.39,3619.46 R59.2@3734.43,3619.46 3734.43,3753.63 3979.06,3998.27 3979.06,4404.26 4077.31,4502.5 4533.58,4502.5 4775.56,4744.49 4775.56,4894.53 5349.54,5468.5 U1.84@5867.13,5468.5
"UC RTD BTN": C27.2 D8.2 R24.2 U1.36 | length 3235.8
  Top Layer w10: U1.36@6459.65,5350.39 7381.89,5350.39 v2(7468.5,5263.78) ; v2(7468.5,5200.79) 7469.49,5200.79 7997.05,4673.23 v2(7998.03,4673.23) ; v2(7998.03,4586.61) 7998.03,4379.92 8192.91,4185.04 8192.91,3721.95 8233.76,3681.1 C27.2@8314.96,3681.1 8314.96,3679.13 8278.54,3642.72 D8.2@8278.54,3610.4 8290.28,3598.67 8316.68,3598.67 8372.05,3543.31 R24.2@8372.05,3541.34
  Bottom Layer w10: v2(7468.5,5200.79) v2(7468.5,5263.78) ; v2(7998.03,4586.61) v2(7998.03,4673.23)
"UC Shutdown Tap": C32.2 D16.2 R41.1 U1.87 | length 2159.7
  Top Layer w10: R41.1@5086.61,4165.84 5017.55,4234.9 D16.2@4993.11,4234.9 4993.11,4265.58 C32.2@5031.5,4303.97 5031.5,4348.43 4877.95,4501.97 4877.95,4852.67 5227.51,5202.22 5386.36,5202.22 v2(5399.61,5188.98) ; v2(5401.57,5377.95) 5433.07,5409.45 U1.87@5867.13,5409.45
  Bottom Layer w10: v2(5399.61,5188.98) 5400.59,5189.96 5400.59,5376.97 v2(5401.57,5377.95)
"UC SWCLK": D11.3 F7.1 U1.76 | length 3818.2
  Top Layer w10: v2(4025.59,4498.03) 4048.79,4498.03 4070.45,4519.69 4526.72,4519.69 4758.56,4751.53 4758.56,4901.57 5342.5,5485.5 5513.06,5485.5 5653.54,5625.98 U1.76@5867.13,5625.98 ; F7.1@4051.18,3367.85 4051.18,3649.61 v2(4051.18,3771.65) 4051.18,4409.45 v2(4098.43,4456.69)
  Top Layer w15: F7.1@4047.51,3364.17 F7.1@4051.18,3367.85
  Bottom Layer w10: D11.3@3836.4,3769.9 v2@4049.42,3769.9 ; v2@4028.65,4494.97 4060.15,4494.97 v2(4098.43,4456.69)
  Bottom Layer w15: D11.3@3834.65,3768.14 D11.3@3836.4,3769.9 ; v2(4025.59,4498.03) v2@4028.65,4494.97 ; v2@4049.42,3769.9 v2(4051.18,3771.65)
"UC SWCLK F": CN1.18 F7.2 | length 2655.1
  Top Layer w15: F7.2@4047.51,3297.24 4047.51,3267.45 4795.28,2519.68 6279.53,2519.68 CN1.18@6338.58,2578.74
"UC SWO": D10.3 F6.1 U1.89 | length 3562
  Top Layer w10: F6.1@4000,3368.11 v2(4000,3921.26) 4000,4401.16 4084.35,4485.5 4540.62,4485.5 4792.56,4737.44 4792.56,4887.49 5252.79,5347.71 5603.61,5347.71 5625.98,5370.08 U1.89@5867.13,5370.08
  Top Layer w15: F6.1@3996.06,3364.17 F6.1@4000,3368.11
  Bottom Layer w10: D10.3@3834.65,3925.2 v2@3996.06,3925.2
  Bottom Layer w15: v2@3996.06,3925.2 v2(4000,3921.26)
"UC SWO F": CN1.15 F6.2 | length 2911
  Top Layer w15: F6.2@3996.06,3297.24 3996.06,3287.78 4787.78,2496.06 6452.76,2496.06 CN1.15@6535.43,2578.74
"UC TSA BTN": C30.2 D13.2 R27.2 U1.35 | length 2496.6
  Top Layer w10: U1.35@6459.65,5330.71 7346.46,5330.71 v2(7413.39,5263.78) ; v2(7413.39,5200.79) 7414.37,5200.79 7943.9,4671.26 v2(7944.88,4671.26) ; v2(7946.85,4588.58) 7946.85,4206.69 C30.2@7992.13,4161.42 7992.13,4159.45 7957.68,4125 D13.2@7957.68,4088.75 7985.31,4061.11 7985.31,4030.43 R27.2@7996.06,4019.68
  Bottom Layer w10: v2(7413.39,5200.79) v2(7413.39,5263.78) ; v2(7944.88,4671.26) 7945.87,4670.28 7945.87,4589.57 v2(7946.85,4588.58)
"UC Vbatt": C33.2 D18.3 R44.2 R45.2 U1.32 | length 3255.8
  Top Layer w10: R44.2@5031.5,4527.39 5031.5,4633.86 D18.3@5019.69,4645.67 5019.69,4733.92 R45.2@5031.5,4745.73 C33.2@5031.5,4802.98 5071.03,4842.52 5747.9,4842.52 6074.67,4515.75 6330.71,4515.75 6350.33,4496.12 6415.41,4496.12 v2(6438.98,4519.69) ; U1.32@6459.65,5271.65 v2(6809.06,5271.65) ; v2(6474.41,4722.44) 6708.66,4722.44 6809.06,4822.83 v2(6809.06,5204.72)
  Bottom Layer w10: v2(6438.98,4519.69) 6474.41,4555.12 v2(6474.41,4722.44) ; v2(6809.06,5204.72) v2(6809.06,5271.65) v2@6810.04,5272.64
Vbatt: C12.1 C13.2 C15.2 C16.1 C17.2 D2.K Q1.2 R22.2 R25.2 R31.2 R36.2 R43.1 R46.2 Ref1.4 REG1.1 REG2.1 | length 7569.4
  Top Layer w10: R43.1@5031.5,4470.14 R46.2@5031.5,4412.88 5246.06,4198.32 5802.65,4198.32 C16.1@5867.72,4263.39
  Top Layer w15: v2(8397.64,4576.77) 8396.65,4577.76 8396.65,4634.68 C15.2@8395.67,4635.66 8396.35,4636.34 8396.35,4675.88 8409.45,4688.98 Ref1.4@8421.26,4688.98
  Top Layer w20: v3(5482.28,3592.52) D2.K@5670.28,3592.52 ; v2(7937.01,3273.62) 7938.98,3275.59 R36.2@7992.13,3275.59 ; v2(7937.01,3769.68) R25.2@7998.03,3769.68 ; v2(8263.78,3771.65) 8264.76,3770.67 8312.01,3770.67 R31.2@8312.99,3769.68 ; v2(8269.68,3297.24) 8270.67,3298.23 8319.88,3298.23 R22.2@8320.87,3299.21
  Top Layer w40: Q1.2@5661.42,3458.66 5661.42,3583.66 D2.K@5670.28,3592.52 5670.28,3769.88 REG2.1@5867.72,3967.32 ; C16.1@5867.72,4263.39 REG2.1@5867.72,3967.32 ; REG1.1@6505.51,3868.11 6505.51,3640.16 C12.1@6533.46,3612.2 6433.85,3612.2 6357.64,3688.42 6146.62,3688.42 REG2.1@5867.72,3967.32
  Bottom Layer w15: v2(8263.78,3771.65) 8263.78,4442.91 v2(8397.64,4576.77)
  Bottom Layer w20: REG1.1@6505.51,3868.11 7838.58,3868.11 v2(7937.01,3769.68) ; v2(8263.78,3771.65) 8262.8,3770.67 7937.99,3770.67 v2(7937.01,3769.68) ; v2(8269.68,3297.24) 8266.71,3297.24 8243.09,3273.62 v2(7937.01,3273.62) v2(7937.01,3769.68)
  Bottom Layer w30: C17.2@5828.74,4291.34 5828.74,4006.3 REG2.1@5867.72,3967.32
  Bottom Layer w40: C13.2@6466.54,3671.26 6505.51,3710.24 REG1.1@6505.51,3868.11
Vcap1: C22.2 U1.48 | length 138.8
  Top Layer w10: U1.48@6459.65,5586.61 6515.75,5586.61 6572.83,5529.53 C22.2@6572.83,5527.56
Vcap2: C2.2 U1.73 | length 179.7
  Top Layer w10: C2.2@5964.57,5856.63 5976.57,5844.63 5976.57,5747.17 5966.54,5737.13 U1.73@5966.54,5686.02
"VCU Power": F8.2 Q1.3 | length 514.5
  Top Layer w40: v3(5350.39,3192.91) 5519.69,3192.91 5691.26,3364.49 5698.5,3364.49 5698.82,3364.8 Q1.3@5698.82,3372.05
  Bottom Layer w40: v3(5350.39,3192.91) 5350.39,3275 F8.2@5354.33,3278.94
"WB Power 1": CN1.25 F9.2 | length 706.4
  Bottom Layer w40: F9.2@5188.98,3278.94 5188.98,3204.72 5271.65,3122.05 5480.32,3122.05 5669.29,2933.07 CN1.25@5669.29,2893.7
"WB Power 2": CN1.26 F10.2 | length 966.1
  Bottom Layer w40: F10.2@5023.62,3278.94 5023.62,3246.06 5100.64,3169.05 5145.23,3169.05 5239.47,3074.8 5461.09,3074.8 5598.98,2936.91 5598.98,2812.01 5669.29,2741.7 CN1.26@5669.29,2736.22
pads on no net: BT1.3 BT1.4 BT1.7 BT1.8 BT1.9 BT1.11 BT1.12 BT1.13 BT1.18 BT1.19 BT1.20 BT1.21 BT1.22 BT1.23 BT1.24 BT1.25 BT1.27 BT1.30 CN1.20 CN1.28 CN1.29 CN1.30 CN1.33 IReg1.2 IReg2.2 IReg3.2 IReg4.2 P1.1 Ref1.3 Ref1.5 U1.5 U1.7 U1.8 U1.9 U1.16 U1.18 U1.23 U1.24 U1.29 U1.31 U1.33 U1.38 U1.42 U1.43 U1.44 U1.45 U1.46 U1.47 U1.51 U1.52 U1.53 U1.54 U1.60 U1.61 U1.62 U1.63 U1.64 U1.65 U1.66 U1.67 U1.68 U1.69 U1.70 U1.71 U1.77 U1.78 U1.79 U1.80 U1.81 U1.82 U1.83 U1.85 U1.86 U1.88 U1.90 U1.93 U1.97 U1.98 U2.5 U2.8 U3.5 U3.8

## Polygon pours and split planes (outlines as drawn)
GND on Top Layer "Top Layer-GND" (solid, pour order 8): 3307.09,5590.55 3779.53,6062.99 6850.39,6062.99 7952.76,4960.63 8661.42,4960.63 8897.64,4724.41 8897.64,3307.09 8582.68,2992.13 8188.98,2992.13 8188.98,2598.43 8031.5,2440.94 4173.23,2440.94 4015.75,2598.43 4015.75,2992.13 3622.05,2992.13 3307.09,3307.09
GND on Bottom Layer "Bottom Layer-GND" (solid, pour order 10): 3307.09,5590.55 3779.53,6062.99 6850.39,6062.99 7952.76,4960.63 8661.42,4960.63 8897.64,4724.41 8897.64,3307.09 8582.68,2992.13 8188.98,2992.13 8188.98,2598.43 8031.5,2440.94 4173.23,2440.94 4015.75,2598.43 4015.75,2992.13 3622.05,2992.13 3307.09,3307.09

## Other copper
Top Layer:
  pour cut-out: 6614.17,4881.89
  pour cut-out: 5669.29,5826.77 5669.29,5118.11 5984.25,4803.15 6456.69,4803.15 6642.72,4989.17 6642.72,5826.77
Multi-Layer:
  pour cut-out: 4271.65,4901.57 3641.73,4901.57 3641.73,5728.35 3228.35,5314.96 3228.35,6141.73 3877.95,6141.73 3877.95,5728.35 3759.84,5728.35 3759.84,5649.61 4153.54,5649.61 4153.54,5767.72 4271.65,5767.72

## Silkscreen, mask and mechanical layers (free items; w line width, h text height)
Top Overlay:
  drawing of 6 lines, arcs and shapes, not listed
  text "ePBR20_VCB_rev1" at 5185.04,6027.56 h60
  text "37" at 4653.54,2917.32 h30.98
  text "1" at 7503.94,2889.76 h30.98
  text "5v" at 8074.8,2842.52 h60 r90
  text "3v3" at 8169.29,2842.52 h60 r90
  text "38" at 4614.17,2822.83 h30.98
  text "2" at 7535.43,2771.65 h30.98
  text "39" at 4582.68,2728.35 h30.98
  text "3" at 7566.93,2673.23 h30.98
Bottom Overlay:
  drawing of 13 lines, arcs and shapes, not listed
Board Outline:
  lines w10: 3228.35,3228.35 3228.35,5669.29 3700.79,6141.73 6929.13,6141.73 8031.5,5039.37 8740.16,5039.37 8976.38,4803.15 8976.38,3228.35 8622.05,2874.02 8267.72,2874.02 8267.72,2519.68 8110.24,2362.2 4094.49,2362.2 3937.01,2519.68 3937.01,2874.02 3582.68,2874.02 3228.35,3228.35